# Altium PCB wikiduino-micro-bk7251.PcbDoc (part 2 of 2)
Units mm, origin at the board's own origin, x right, y up, seen from the top; angles counter-clockwise.
Board outline 221.69 x 138.99 mm, 2 copper layers (Top Layer, Bottom Layer); 153 components, 122 nets, 594 pads, 744 vias.
Unrouted connection lines stored in the file: 527.
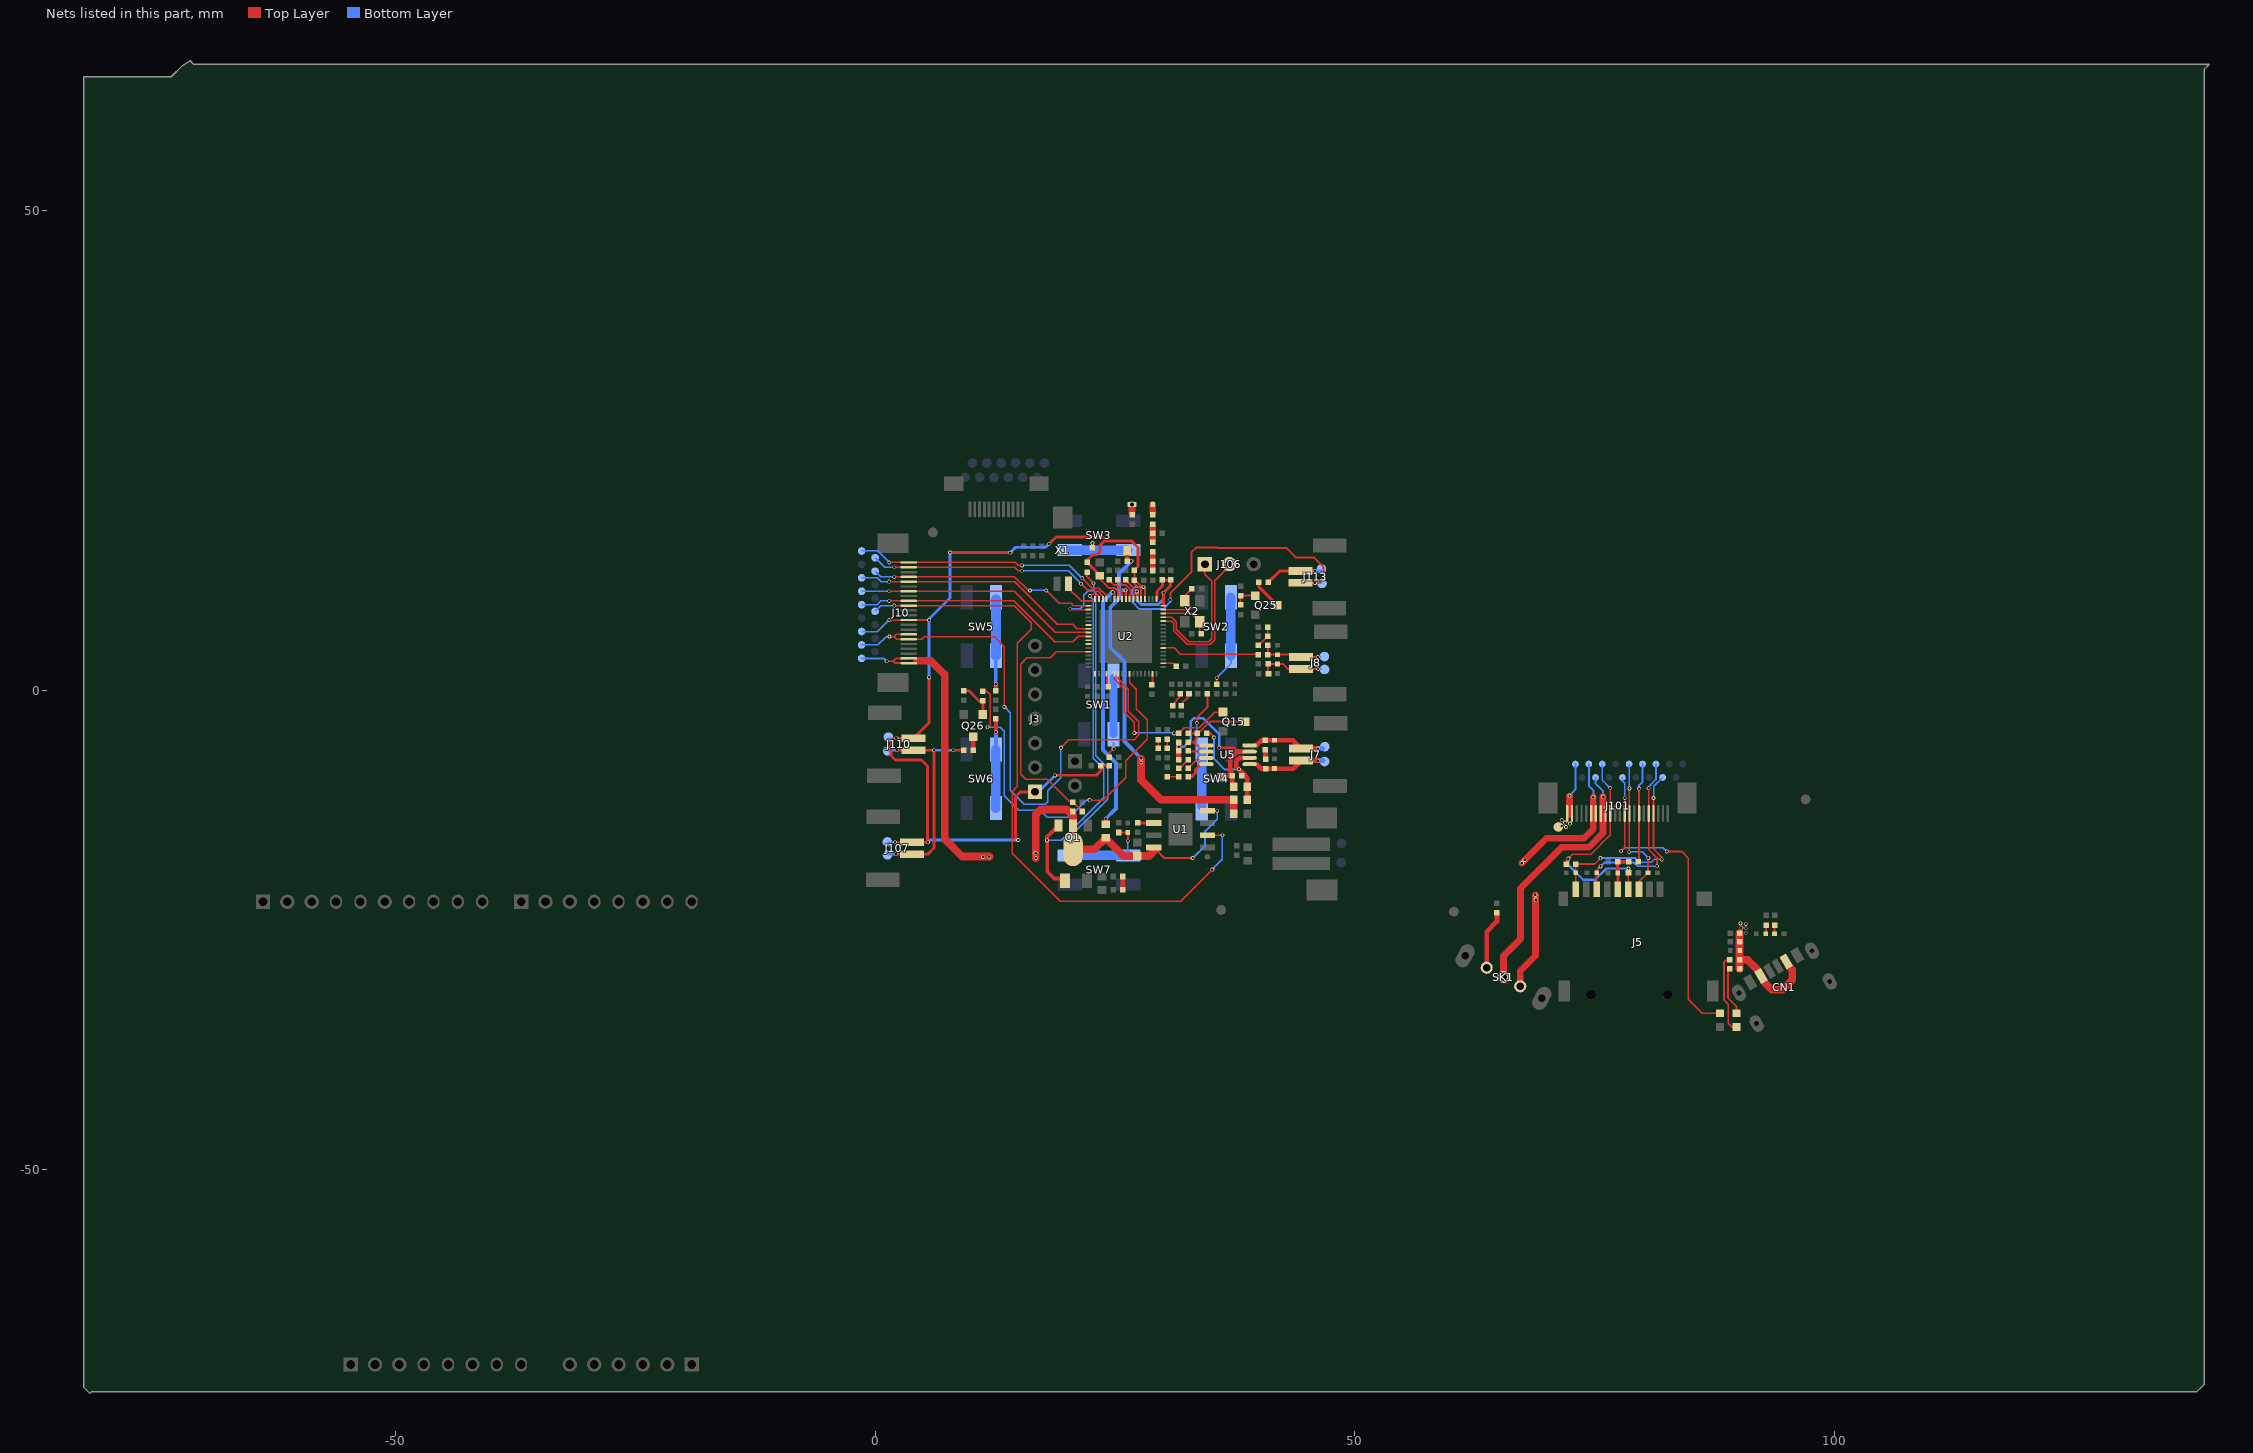
[diagram p2: the nets of this part, all layers, seen from the top]

## Via types
v1: diameter 0.4, hole 0.25, Top Layer to Bottom Layer, 744 vias

## Nets (pads, with @x,y where several pads share a name; then routed paths per layer and width w, separated by ;. In a path a pad name is that pad's centre, name@x,y a point inside that pad or via, vN(x,y) a via of type N, cw(c..) or ccw(c..) an arc to the next point about the centre after c; other vN are vias at no path point) (continued)
MICLP: C203.2 U2.57 | length 10.2
  Top Layer w0.15: U2.57@30.02,4.42 31.15,4.42 31.81,3.76 C203.2@39.94,3.76
NetC8_1: C8.1 R9.2 | length 1.4
  Top Layer w0.5: C8.1@25.81,-20.8 R9.2@25.81,-19.42
NetC12_2: C12.2 U2.53 | length 1.5
  Top Layer w0.15: U2.53@30.02,2.82 31.08,2.82 C12.2@31.37,2.53
NetC15_2: C15.2 U2.50 | length 1.1
  Top Layer w0.2: C15.2@28.92,0.58 U2.50@28.92,1.72
NetC18_1: C18.1 C19.2 C21.1 | length 1.9
  Top Layer w0.559: C18.1@28.92,12.496 C21.1@28.92,13.46 C19.2@28.92,14.43
NetC19_1: C19.1 C20.1 L2.1 | length 1.8
  Top Layer w0.381: C19.1@28.92,15.43 28.92,15.73
  Top Layer w0.71: 28.92,15.73 C20.1@28.92,16.4 L2.1@28.92,17.2
NetC22_2: C22.2 U2.38 | length 1.2
  Top Layer w0.15: C22.2@24.12,0.49 U2.38@24.12,1.72
NetC42_1: C42.1 U5.2 | length 1.8
  Top Layer w0.2: C42.1@32.623,-6.329 32.699,-6.404 34.312,-6.404 U5.2@34.237,-6.329
NetC43_1: C43.1 R43.1 | length 1.3
  Top Layer w0.15: R43.1@31.72,-8.12 C43.1@32.62,-7.22
NetC44_1: C44.1 R44.1 | length 1.2
  Top Layer w0.15: C44.1@30.43,-9.03 R44.1@31.63,-9.03
NetC49_1: C49.1 R47.2 | length 1
  Top Layer w0.5: C49.1@40.682,-7.165 R47.2@40.682,-6.207
NetC56_1: C56.1 R49.1 | length 0.9
  Top Layer w0.15: R49.1@29.49,-6.05 C56.1@29.49,-5.14
NetC57_1: C57.1 R48.1 | length 0.9
  Top Layer w0.15: R48.1@30.443,-6.049 C57.1@30.443,-5.119
NetC109_1: C109.1 U2.8 | length 2.8
  Top Layer w0.2: C109.1@25.26,11.52 25.26,11.465 25.725,11 26.133,11 26.621,10.511 26.621,10.078 26.52,9.977 U2.8@26.52,9.52
NetC120_1: C120.1 U2.10 | length 2.7
  Top Layer w0.2: C120.1@24.37,11.52 24.37,11.51 24.385,11.495 24.877,11.002 25.098,11.002 25.66,10.44 25.66,10.03 25.72,9.97 U2.10@25.72,9.52
NetC156_1: C156.1 R149.1 | length 1.6
  Top Layer w0.15: C156.1@30.99,-1.6 30.99,-1.45 31.81,-0.63 R149.1@31.81,-0.37
NetC157_1: C157.1 R148.1 | length 1.5
  Top Layer w0.15: C157.1@31.92,-1.59 31.92,-1.42 32.71,-0.63 R148.1@32.71,-0.37
NetC203_1: C203.1 ESD5.1 J8.2 pad.6@46.83,3.52 R210.1 | length 6.3
  Top Layer w0.2: C203.1@40.93,3.73 R210.1@40.93,4.69 ; C203.1@40.94,3.72 41.95,3.72 J8.2@44.258,3.72 ; J8.2@44.403,3.475 v1(46.13,3.475)
  Bottom Layer w0.2: v1(46.13,3.475) pad.6@46.445,3.475
NetC204_2: C204.2 R209.1 R210.2 | length 2.4
  Top Layer w0.2: R210.2@39.93,4.69 39.97,4.69 C204.2@40.905,5.625 ; R209.1@40.92,6.6 C204.2@40.92,5.64 40.92,5.61 C204.2@40.97,5.56
NetC256_1: C256.1 ESD6.1 J8.1 pad.7@46.85,2.17 R208.2 | length 6.7
  Top Layer w0.2: R208.2@40.95,1.8 C256.1@40.95,2.75 ESD6.1@41.95,2.75 42.5,2.75 43.025,2.225 J8.1@44.403,2.225 v1(46.19,2.225) v1@46.235,2.225
  Bottom Layer w0.2: v1(46.19,2.225) pad.7@46.475,2.225
NetD12_1: D12.1 R6.1 | length 8.3
  Top Layer w0.2: R6.1@89.125,-28.092 88.781,-28.092 88.495,-28.378 88.495,-32.29 88.952,-32.747 88.952,-34.728 89.338,-35.114 D12.1@89.813,-35.114
NetD13_1: D13.1 R5.1 | length 4.8
  Top Layer w0.2: R5.1@88.902,-29.256 88.902,-32.086 89.813,-32.998 D13.1@89.813,-33.684
NetFB1_2: FB1.2 U2.12 | length 26.5
  Top Layer w0.2: v1@24.775,10.245 24.77,10.24 v1@24.82,10.19 ; v1@24.82,10.24 v1@24.82,10.19 ; U2.12@24.92,9.52 24.92,10.09 v1@24.82,10.19
  Top Layer w0.4: FB1.2@24.02,-14.02 24.02,-13.98 v1(24.02,-13.4)
  Bottom Layer w0.4: v1(24.02,-13.4) 25.09,-12.33 25.09,-7.57 23.745,-6.225 23.745,9.245 v1(24.74,10.24)
NetIFA_RF_2_1: IFA_RF_2.1 L6.2 | length 0.9
  Top Layer w0.71: L6.2@26.77,18.52 IFA_RF_2.1@26.77,19.38
NetIFA_RF_2_2: IFA_RF_2.2 L2.2 | length 0.8
  Top Layer w0.71: L2.2@28.92,18.57 IFA_RF_2.2@28.92,19.38
NetJ113_2: J113.2 pad.4@46.52,12.64 R272.1 | length 6
  Top Layer w0.3: R272.1@40.98,11.26 42.17,12.45 J113.2@44.34,12.45 v1(45.83,12.45)
  Bottom Layer w0.3: v1(45.83,12.45) pad.4@46.46,12.45
NetQ25_1: Q25.1 R271.1 R273.1 | length 2.5
  Top Layer w0.2: R271.1@38.1,8.9 R273.1@38.1,9.87 Q25.1@39.6,9.87
NetQ25_3: Q25.3 R272.2 | length 3.2
  Top Layer w0.3: R272.2@39.98,11.26 39.98,10.79 Q25.3@41.909,8.861
NetQ26_1: Q26.1 R280.1 R285.1 | length 3.8
  Top Layer w0.3: R285.1@9.24,-0.05 9.75,-0.05 10.8,-1.1 R280.1@11.22,-1.1 Q26.1@11.22,-2.52
NetQ26_3: Q26.3 R281.2 | length 1.4
  Top Layer w0.5: R281.2@10.21,-6.25 R281.2@10.21,-6.25 Q26.3@10.211,-4.829
NetR8_2: R8.2 U1.2 | length 1.5
  Top Layer w0.3: R8.2@27.54,-13.83 29.04,-13.83 U1.2@29.055,-13.83
NetR23_1: R23.1 SK1.1 | length 6.2
  Top Layer w0.5: SK1.1@63.756,-28.933 63.756,-25.173 64.83,-24.099 R23.1@64.83,-23.2
NetR43_2: R43.2 U5.3 | length 2.3
  Top Layer w0.2: R43.2@32.64,-8.12 33.706,-7.054 U5.3@34.512,-7.054
NetR44_2: R44.2 U5.4 | length 2.6
  Top Layer w0.3: R44.2@32.64,-9.02 32.997,-9.02 33.383,-8.633 33.383,-8.247 33.926,-7.704 U5.4@34.512,-7.704
NetR58_2: R58.2 SW2.3 SW2.4 | length 9.7
  Top Layer w0.2: R58.2@35.6,0.64 v1(35.6,1.3)
  Bottom Layer w0.2: v1(35.6,1.3) 37.082,2.782 SW2.4@37.082,3.604
  Bottom Layer w1: SW2.4@37.082,3.604 SW2.3@37.082,9.7
NetR59_2: R59.2 SW3.3 SW3.4 | length 7.3
  Top Layer w0.2: R59.2@22.64,14.87 v1(22.64,15.35)
  Bottom Layer w0.2: 22.64,14.669 v1(22.64,15.35)
  Bottom Layer w1: SW3.4@20.239,14.619 20.26,14.619 SW3.3@26.335,14.619
NetR60_2: R60.2 SW4.3 SW4.4 | length 12.4
  Top Layer w0.2: v1(33.52,-3.42) 33.52,-2.85 34.62,-1.75 R60.2@34.62,-0.35
  Bottom Layer w0.2: v1(33.52,-3.42) 33.52,-5.677 SW4.4@34.034,-6.19 34.059,-6.164 SW4.4@34.059,-6.114
  Bottom Layer w1: SW4.3@34.059,-12.025 SW4.4@34.059,-6.19
NetR61_2: R61.2 SW5.3 SW5.4 | length 9.5
  Top Layer w0.4: R61.2@12.567,-0.041 v1@12.567,0.613
  Bottom Layer w0.4: v1(12.56,0.62) SW5.4@12.559,3.585
  Bottom Layer w1: SW5.4@12.578,3.604 SW5.3@12.578,9.482
NetR62_2: R62.2 SW6.3 SW6.4 | length 8.9
  Top Layer w0.4: v1@12.572,-4.388 12.572,-4.38 R62.2@12.572,-2.977
  Bottom Layer w0.4: SW6.3@12.57,-5.783 v1(12.57,-4.38)
  Bottom Layer w1: SW6.4@12.567,-12.29 SW6.4@12.567,-12.275 SW6.3@12.567,-6.179
NetR278_2: R278.2 V3.1 | length 0.9
  Top Layer w0.2: V3.1@92.894,-25.355 R278.2@92.894,-24.485
NetR279_2: R279.2 V2.1 | length 0.9
  Top Layer w0.2: V2.1@93.764,-25.384 R279.2@93.764,-24.505
NetR300_2: R300.2 SW1.3 SW1.4 | length 7.6
  Top Layer w0.2: R300.2@24.4,-6.97 24.4,-6.53 v1(24.85,-6.08)
  Bottom Layer w0.2: SW1.4@24.84,-5.49 24.84,-6.07 v1(24.85,-6.08)
  Bottom Layer w0.8: SW1.4@24.83,-4.566 SW1.3@24.83,1.32
PA_5V: C45.2 C46.2 FB2.2 R293.1 U5.6 | length 11.6
  Top Layer w0.2: R293.1@34.55,-4.49 34.9,-4.49 v1(35.33,-4.92)
  Top Layer w0.5: U5.6@38.34,-7.054 37.986,-7.054 37.64,-7.4 37.64,-7.96 v1(37.92,-8.24) 38.4,-8.72 38.79,-9.11 38.79,-10.04 FB2.2@38.79,-11.41
  Bottom Layer w0.2: v1(35.33,-4.92) 35.33,-7.16 36.41,-8.24 v1(37.92,-8.24) v1@37.93,-8.24
PAGND: C42.2 C43.2 C45.1 C46.1 FB3.1 R42.2 U5.7 | length 18
  Top Layer w0.15: 37.785,-6.365 37.79,-6.37 37.8,-6.38
  Top Layer w0.25: v1(35.87,-5.98) 37.389,-5.98 37.779,-6.37
  Top Layer w0.5: C43.2@31.623,-7.217 C42.2@31.623,-6.329 v1(31.623,-5.87) R42.2@31.623,-5.429 ; FB3.1@36.23,-8.89 C45.1@37.23,-8.89 ; C46.1@37.23,-9.89 C45.1@37.23,-8.89 ; 38.24,-6.37 37.79,-6.37 37.779,-6.37 37.01,-7.139 37.01,-8.51 37.23,-8.73 C45.1@37.23,-8.89
  Bottom Layer w0.15: v1@35.88,-5.99 v1@35.88,-5.98
  Bottom Layer w0.25: v1(31.623,-5.87) 32.22,-5.87 32.905,-5.185 32.905,-3.235 33.245,-2.895 34.165,-2.895 35.88,-4.61 v1@35.88,-5.98
POWER_1: J10.6 J10.7 pad.14@-1.43,4.73 U2.41 | length 59.6
  Top Layer w0.15: v1(1.478,5.608) 1.962,5.608 ; J10.7@3.473,5.83 2.184,5.83 1.962,5.608 ; 5.1,5.57 4.86,5.33 J10.6@3.473,5.33 2.24,5.33 1.962,5.608 ; 5.1,5.58 12.44,5.58 13.46,4.56 v1(13.46,-1.74) ; v1(19.36,-5.98) 20.19,-5.15 26.99,-5.15 27.49,-4.65 27.49,-3.29 26.39,-2.19 26.39,0.116 25.322,1.183 25.322,1.717 U2.41@25.32,1.72
  Bottom Layer w0.15: pad.14@-1.53,4.73 pad.14@-1.43,4.73 0.27,4.73 1.148,5.608 v1(1.478,5.608) ; v1@13.47,-1.73 14.08,-2.34 14.08,-10.44 15.54,-11.9 17.71,-11.9 17.99,-11.62 17.99,-10.47 19.36,-9.1 v1(19.36,-5.98)
POWER_KEY1: J101.6 J101.7 pad.27 SK1.3 | length 27
  Top Layer w0.7: SK1.3@67.254,-30.872 67.254,-29.285 68.85,-27.689 68.85,-21.829 v1@68.85,-21.349 ; v1@67.4,-18.029 67.42,-18.009 67.725,-17.704 70,-15.429 73.92,-15.429 74.881,-14.468 74.881,-13.419 ; 74.881,-14.348 74.881,-13.419 ; v1(74.881,-11.135) 74.881,-12.844 74.881,-13.419
  Bottom Layer w0.2: pad.27@74.41,-7.69 74.41,-9.976 74.881,-10.447 v1(74.881,-11.135)
  other v1: 68.86,-21.829 68.84,-21.339 67.43,-18.019 67.71,-17.689
POWER_KEY2: J101.8 J101.9 pad.26 SK1.2 | length 27.1
  Top Layer w0.7: SK1.2@65.505,-29.902 65.505,-27.714 67.29,-25.929 67.29,-20.639 71.55,-16.379 74.4,-16.379 75.897,-14.882 75.897,-12.844 v1(75.897,-11.084)
  Bottom Layer w0.2: pad.26@75.11,-9.09 75.11,-9.727 75.897,-10.514 v1(75.897,-11.084)
POWER_VSYS: C26.1 C207.1 FB2.1 R19.1 U2.9 | length 41.5
  Top Layer w0.25: U2.9@26.12,9.76 v1@26.12,10.44
  Top Layer w0.4: C207.1@26.26,13.47 C26.1@26.26,14.58 ; C207.1@26.27,13.46 v1(26.7,13.46)
  Top Layer w0.8: v1@27.7,-7.13 27.7,-7.53 27.7,-9.32 29.79,-11.41 FB2.1@37.39,-11.41 R19.1@37.39,-12.87
  Bottom Layer w0.25: 25.42,10.24 25.47,10.29
  Bottom Layer w0.4: 25.47,10.44 v1(26.09,10.44) ; 25.97,0.55 25.97,2.08 ; v1(26.7,13.46) 25.42,12.18 25.42,10.24 25.42,9.56 24.5,8.64 24.5,4.46 25.97,2.99 25.97,2.08 ; v1(27.73,-7.1) 25.97,-5.34 25.97,2.08
  other v1: 27.73,-7.53
SD0_CDN: D5.1 J5.9 J101.19 pad.22 R22.2 | length 21.7
  Top Layer w0.18: R22.2@73.05,-18.109 74.7,-18.109 ; 74.967,-18.109 74.7,-18.109 ; v1(75.63,-17.499) 75.02,-18.109 74.7,-18.109 ; v1(81.149,-11.228) J101.19@81.149,-12.844 81.149,-16.539 82.01,-17.399 v1(82.01,-17.629)
  Top Layer w0.2: J5.9@73.044,-20.749 D5.1@73.044,-19.031 R22.2@73.044,-18.167
  Bottom Layer w0.18: v1@75.62,-17.499 v1(75.63,-17.499) 79.27,-17.499 79.71,-17.939 80.94,-17.939 81.26,-17.619 v1@81.99,-17.619 ; v1(81.149,-11.228) 81.189,-11.188 81.189,-10.01 pad.22@82.11,-9.09
SD0_CLK: J101.16 pad.18 R33.1 | length 10.2
  Top Layer w0.2: R33.1@79.649,-17.749 J101.16@79.649,-12.844 v1(79.649,-10.249)
  Bottom Layer w0.2: v1(79.649,-10.249) 79.649,-9.88 80.01,-9.519 pad.18@80.01,-7.69
SD0_CMD: D8.1 J5.3 J101.14 pad.17 | length 14.9
  Top Layer w0.15: v1@78.649,-16.7 J101.14@78.649,-12.844 v1(78.649,-10.233)
  Top Layer w0.18: J5.3@79.634,-20.759 79.634,-19.975 D8.1@80.578,-19.031 80.578,-17.521 v1(80.62,-17.479)
  Bottom Layer w0.15: v1(78.649,-10.233) pad.17@78.649,-7.73
  Bottom Layer w0.18: v1(78.63,-16.849) 79.99,-16.849 v1(80.62,-17.479)
SD0_DAT0: D10.1 J5.7 J101.18 pad.21 | length 20.1
  Top Layer w0.18: v1(80.649,-10.214) J101.18@80.649,-12.844 80.649,-16.599 81.51,-17.459 v1(81.51,-18.349)
  Top Layer w0.2: J5.7@75.229,-20.754 D10.1@75.229,-19.031 75.229,-18.77 v1@75.625,-18.374
  Bottom Layer w0.18: v1(80.649,-10.214) 80.649,-10.055 81.41,-9.295 pad.21@81.41,-7.69
  Bottom Layer w0.2: v1(75.63,-18.369) 76.02,-17.979 79.12,-17.979 79.49,-18.349 v1(81.51,-18.349)
SD_CD: J10.19 pad.9@-0.03,12.43 U2.18 | length 24.6
  Top Layer w0.15: v1(1.97,11.83) J10.19@3.473,11.83 11.53,11.83 ; 12.35,11.83 11.53,11.83 ; v1(16.13,10.41) 15.93,10.41 14.51,11.83 11.53,11.83 ; v1(17.83,10.41) 19.18,9.06 20.412,9.06 20.652,8.82 U2.18@22.22,8.82
  Bottom Layer w0.15: pad.9@-0.03,12.43 0.57,11.83 v1(1.97,11.83) ; v1(16.13,10.41) v1(17.83,10.41)
SD_CMD: J10.14 pad.3@-1.43,8.93 U2.26 | length 25.8
  Top Layer w0.15: v1(1.44,9.33) J10.14@3.473,9.33 14.44,9.33 18.73,5.04 20.56,5.04 21.14,5.62 U2.26@22.22,5.62
  Bottom Layer w0.15: pad.3@-1.43,8.93 0.182,8.93 0.582,9.33 v1(1.44,9.33)
SD_D0: J10.18 pad.8@-1.43,11.73 U2.24 | length 25.9
  Top Layer w0.15: v1(1.44,11.33) J10.18@3.473,11.33 14.54,11.33 18.99,6.88 20.56,6.88 21.02,6.42 U2.24@22.22,6.42 U2.24@22.195,6.42
  Bottom Layer w0.15: pad.8@-1.43,11.73 0.217,11.73 0.617,11.33 v1(1.44,11.33)
SD_D1: U2.23
SD_D2: U2.28
SD_D3: U2.27
SD_DCLK: J10.16 pad.0@-1.43,10.33 U2.25 | length 25.4
  Top Layer w0.15: v1(1.44,10.33) J10.16@3.473,10.33 14.49,10.33 18.77,6.05 U2.25@22.19,6.05 ; U2.25@22.19,6.02 U2.25@22.22,6.02
  Bottom Layer w0.15: pad.0@-1.43,10.33 v1(1.44,10.33)
SPK+: J7.2 pad.8@46.87,-5.88 R47.1 U5.8 V4.1 | length 7.5
  Top Layer w0.5: U5.8@39.736,-5.754 40.273,-5.217 40.682,-5.217 V4.1@41.632,-5.217 43.553,-5.217 J7.2@44.413,-6.077 v1@46.143,-6.077
  Bottom Layer w0.5: v1(46.15,-6.07) pad.8@46.66,-6.07
SPK-: C49.2 J7.1 pad.9@46.85,-7.43 U5.5 V5.1 | length 7.5
  Top Layer w0.5: 39.78,-7.72 40.204,-8.144 C49.2@40.692,-8.144 ; C49.2@40.692,-8.175 41.632,-8.175 43.565,-8.175 J7.1@44.413,-7.327 v1(46.14,-7.327) v1@46.177,-7.327
  Bottom Layer w0.5: v1(46.14,-7.327) pad.9@46.687,-7.327
SPK_MUTE: Q15.1 R294.2 U2.40 | length 17.2
  Top Layer w0.15: U2.40@24.92,1.72 24.92,1.19 25.98,0.13 25.98,-2.28 27.01,-3.31 v1(27.01,-4.45) ; v1@31.25,-4.47 31.63,-4.47 R294.2@31.65,-4.47 ; R294.2@31.63,-4.49 R294.2@31.65,-4.47 ; R294.2@31.72,-4.47 R294.2@31.65,-4.47 ; Q15.1@36.249,-2.269 35.386,-2.269 33.76,-3.895 32.225,-3.895 R294.2@31.65,-4.47
  Bottom Layer w0.15: v1(27.01,-4.45) 31.12,-4.45 v1(31.16,-4.49)
SPK_MUTE_1: Q15.3 R42.1 R293.2 R294.1 U5.1 | length 9.6
  Top Layer w0.2: R42.1@32.623,-5.429 33.129,-5.429 ; R294.1@32.63,-4.49 R293.2@33.55,-4.49 33.65,-4.49 34.871,-3.269 Q15.3@38.549,-3.269 Q15.3@38.549,-3.495 ; R293.2@33.51,-4.51 33.51,-5.047 33.129,-5.429 ; U5.1@34.328,-5.754 33.454,-5.754 33.129,-5.429
STDBY: J10.13 pad.4@-0.03,8.23 U1.6 | length 72.1
  Top Layer w0.15: v1(1.97,8.83) J10.13@3.473,8.83 14.49,8.83 16.26,7.06 16.26,6.39 14.79,4.92 14.79,-10.02 14.255,-10.555 14.255,-16.995 19.26,-22 31.85,-22 v1(35.15,-18.7) ; U1.6@34.64,-15.115 v1(36.2,-15.115) v1@36.215,-15.115
  Bottom Layer w0.15: pad.4@-0.03,8.23 0.57,8.83 v1(1.97,8.83) ; v1@35.12,-18.68 35.125,-18.675 36.2,-17.6 v1(36.2,-15.115)
STDBY1: D13.2 J101.13 pad.16@77.91,-9.09 | length 34.2
  Top Layer w0.15: v1@77.81,-16.759 78.149,-16.42 J101.13@78.149,-12.844 v1(78.149,-11.225)
  Top Layer w0.2: v1(82.53,-16.809) 84.09,-16.809 84.78,-17.499 84.78,-32.209 86.251,-33.681 D13.2@88.076,-33.681
  Bottom Layer w0.15: v1(77.76,-16.779) 78.135,-16.404 82.125,-16.404 v1(82.53,-16.809) ; pad.16@77.91,-9.09 77.91,-9.459 78.13,-9.679 78.13,-11.205 v1(78.149,-11.225)
TF_CLK: C27.1 D9.1 J5.5 R33.2 | length 3.9
  Top Layer w0.3: D9.1@77.413,-19.036 C27.1@77.413,-17.866 R33.2@78.377,-17.866 ; C27.1@77.418,-17.836 C27.1@77.418,-17.822 ; J5.5@77.434,-20.759 D9.1@77.434,-19.057
TOP_LED: R280.2 U2.44 | length 41.6
  Top Layer w0.15: R280.2@11.22,-0.1 11.61,-0.1 11.96,-0.45 11.96,-3.6 v1(11.7,-3.86) ; v1(22.34,-11.45) 23.77,-11.45 26.115,-9.105 26.115,-7.365 28.36,-5.12 28.36,-3.08 27.225,-1.945 27.225,0.085 27.1,0.21 ; U2.44@26.52,1.72 26.52,0.79 27.1,0.21 ; 26.6,0.71 27.1,0.21
  Bottom Layer w0.15: v1(11.7,-3.86) 13.04,-3.86 13.46,-4.28 13.46,-11.01 14.95,-12.5 17.22,-12.5 17.94,-13.22 20.21,-13.22 21.98,-11.45 v1(22.34,-11.45)
TOP_LED1: J107.2 J110.2 pad.1@1.26,-17.16 pad.3@1.29,-6.33 R281.1 | length 23.2
  Top Layer w0.3: v1@2.12,-17.1 J107.2@3.84,-17.1 5.47,-17.1 6.13,-16.44 v1(6.13,-6.25) ; v1(2.23,-6.25) J110.2@3.97,-6.25 v1(6.13,-6.25) ; v1@6.16,-6.25 v1(6.13,-6.25) ; v1@8.12,-6.25 v1(8.13,-6.25) R281.1@9.21,-6.25
  Bottom Layer w0.3: pad.3@1.32,-6.25 v1(2.23,-6.25) ; pad.1@1.34,-17.09 v1(2.12,-17.09) ; v1(6.13,-6.25) v1(8.13,-6.25)
UART2_RXD: J106.2 U2.64 | length 15.3
  Top Layer w0.15: U2.64@30.02,7.22 30.025,7.225 30.905,7.225 31.12,7.01 31.12,6.22 32.55,4.79 34.92,4.79 35.42,5.29 35.42,11.44 J106.2@36.91,12.93
UART2_TXD: J106.1 U2.65 | length 14.5
  Top Layer w0.15: U2.65@30.02,7.62 30.906,7.62 31.4,7.126 31.4,6.35 32.67,5.08 34.77,5.08 35.09,5.4 35.09,11.39 34.37,12.11 J106.1@34.37,12.93
USB-5V: C1.1 C2.1 CN1.A9 CN1.B9 J101.1 J101.2 pad.29 R5.2 R6.2 TP13.1 V1.1 | length 15.9
  Top Layer w0.7: 72.392,-12.945 72.392,-12.844 v1@72.392,-11.084
  Top Layer w0.8: R5.2@90.125,-29.032 R6.2@90.125,-28.092 90.125,-27.149 90.125,-26.224 C2.1@90.125,-25.348 ; R6.2@90.324,-28.092 90.953,-28.092 91.899,-29.038 ; 92.813,-30.562 93.474,-31.223 94.591,-31.223 95.607,-30.207 95.607,-29.14 95.404,-28.937
  Bottom Layer w0.2: v1(72.392,-10.982) 73.01,-10.364 pad.29@73.01,-7.69
  other v1: 90.781,-25.279 90.781,-24.822 90.324,-24.771 90.781,-24.365 90.222,-24.314 72.036,-14.256 71.579,-14.154 72.442,-13.9 71.934,-13.798 71.579,-13.544
USB-VBUS: C29.2 FB1.1 J10.1 J10.2 pad.16@-1.43,3.33 Q1.2 R30.1 U1.4 U1.8 | length 70.5
  Top Layer w0.2: v1(1.17,3.03) 1.87,3.03 ; J10.1@3.473,2.83 2.07,2.83 1.87,3.03 ; J10.2@3.473,3.33 2.17,3.33 1.87,3.03 ; U1.4@29.04,-16.385 29.248,-16.592 30.145,-17.49 v1(33.09,-17.49) ; U1.8@35.405,-12.575 U1.8@34.64,-12.575 v1(35.655,-12.575)
  Top Layer w0.8: 4.39,3.08 5.78,3.08 7.22,1.64 7.22,0.6 ; 7.22,-2.41 7.22,0.6 ; v1@11.91,-17.34 11.87,-17.34 11.24,-17.34 9.05,-17.34 7.22,-15.51 7.22,0.6 ; v1(16.73,-17.49) 16.73,-16.98 16.73,-12.96 17.26,-12.43 19.94,-12.43 20.375,-12.865 20.616,-13.106 Q1.2@20.616,-14.105 ; Q1.2@20.62,-16.595 22.845,-16.595 24.02,-15.42 25.9,-17.3 C29.2@27.33,-17.3 ; Q1.2@20.653,-16.022 20.653,-14.105 Q1.2@20.653,-13.797 ; C29.2@27.33,-17.28 28.56,-17.28 29.248,-16.592 U1.4@29.29,-16.55